# KiCad board microcyte_panel.kicad_pcb (continued)
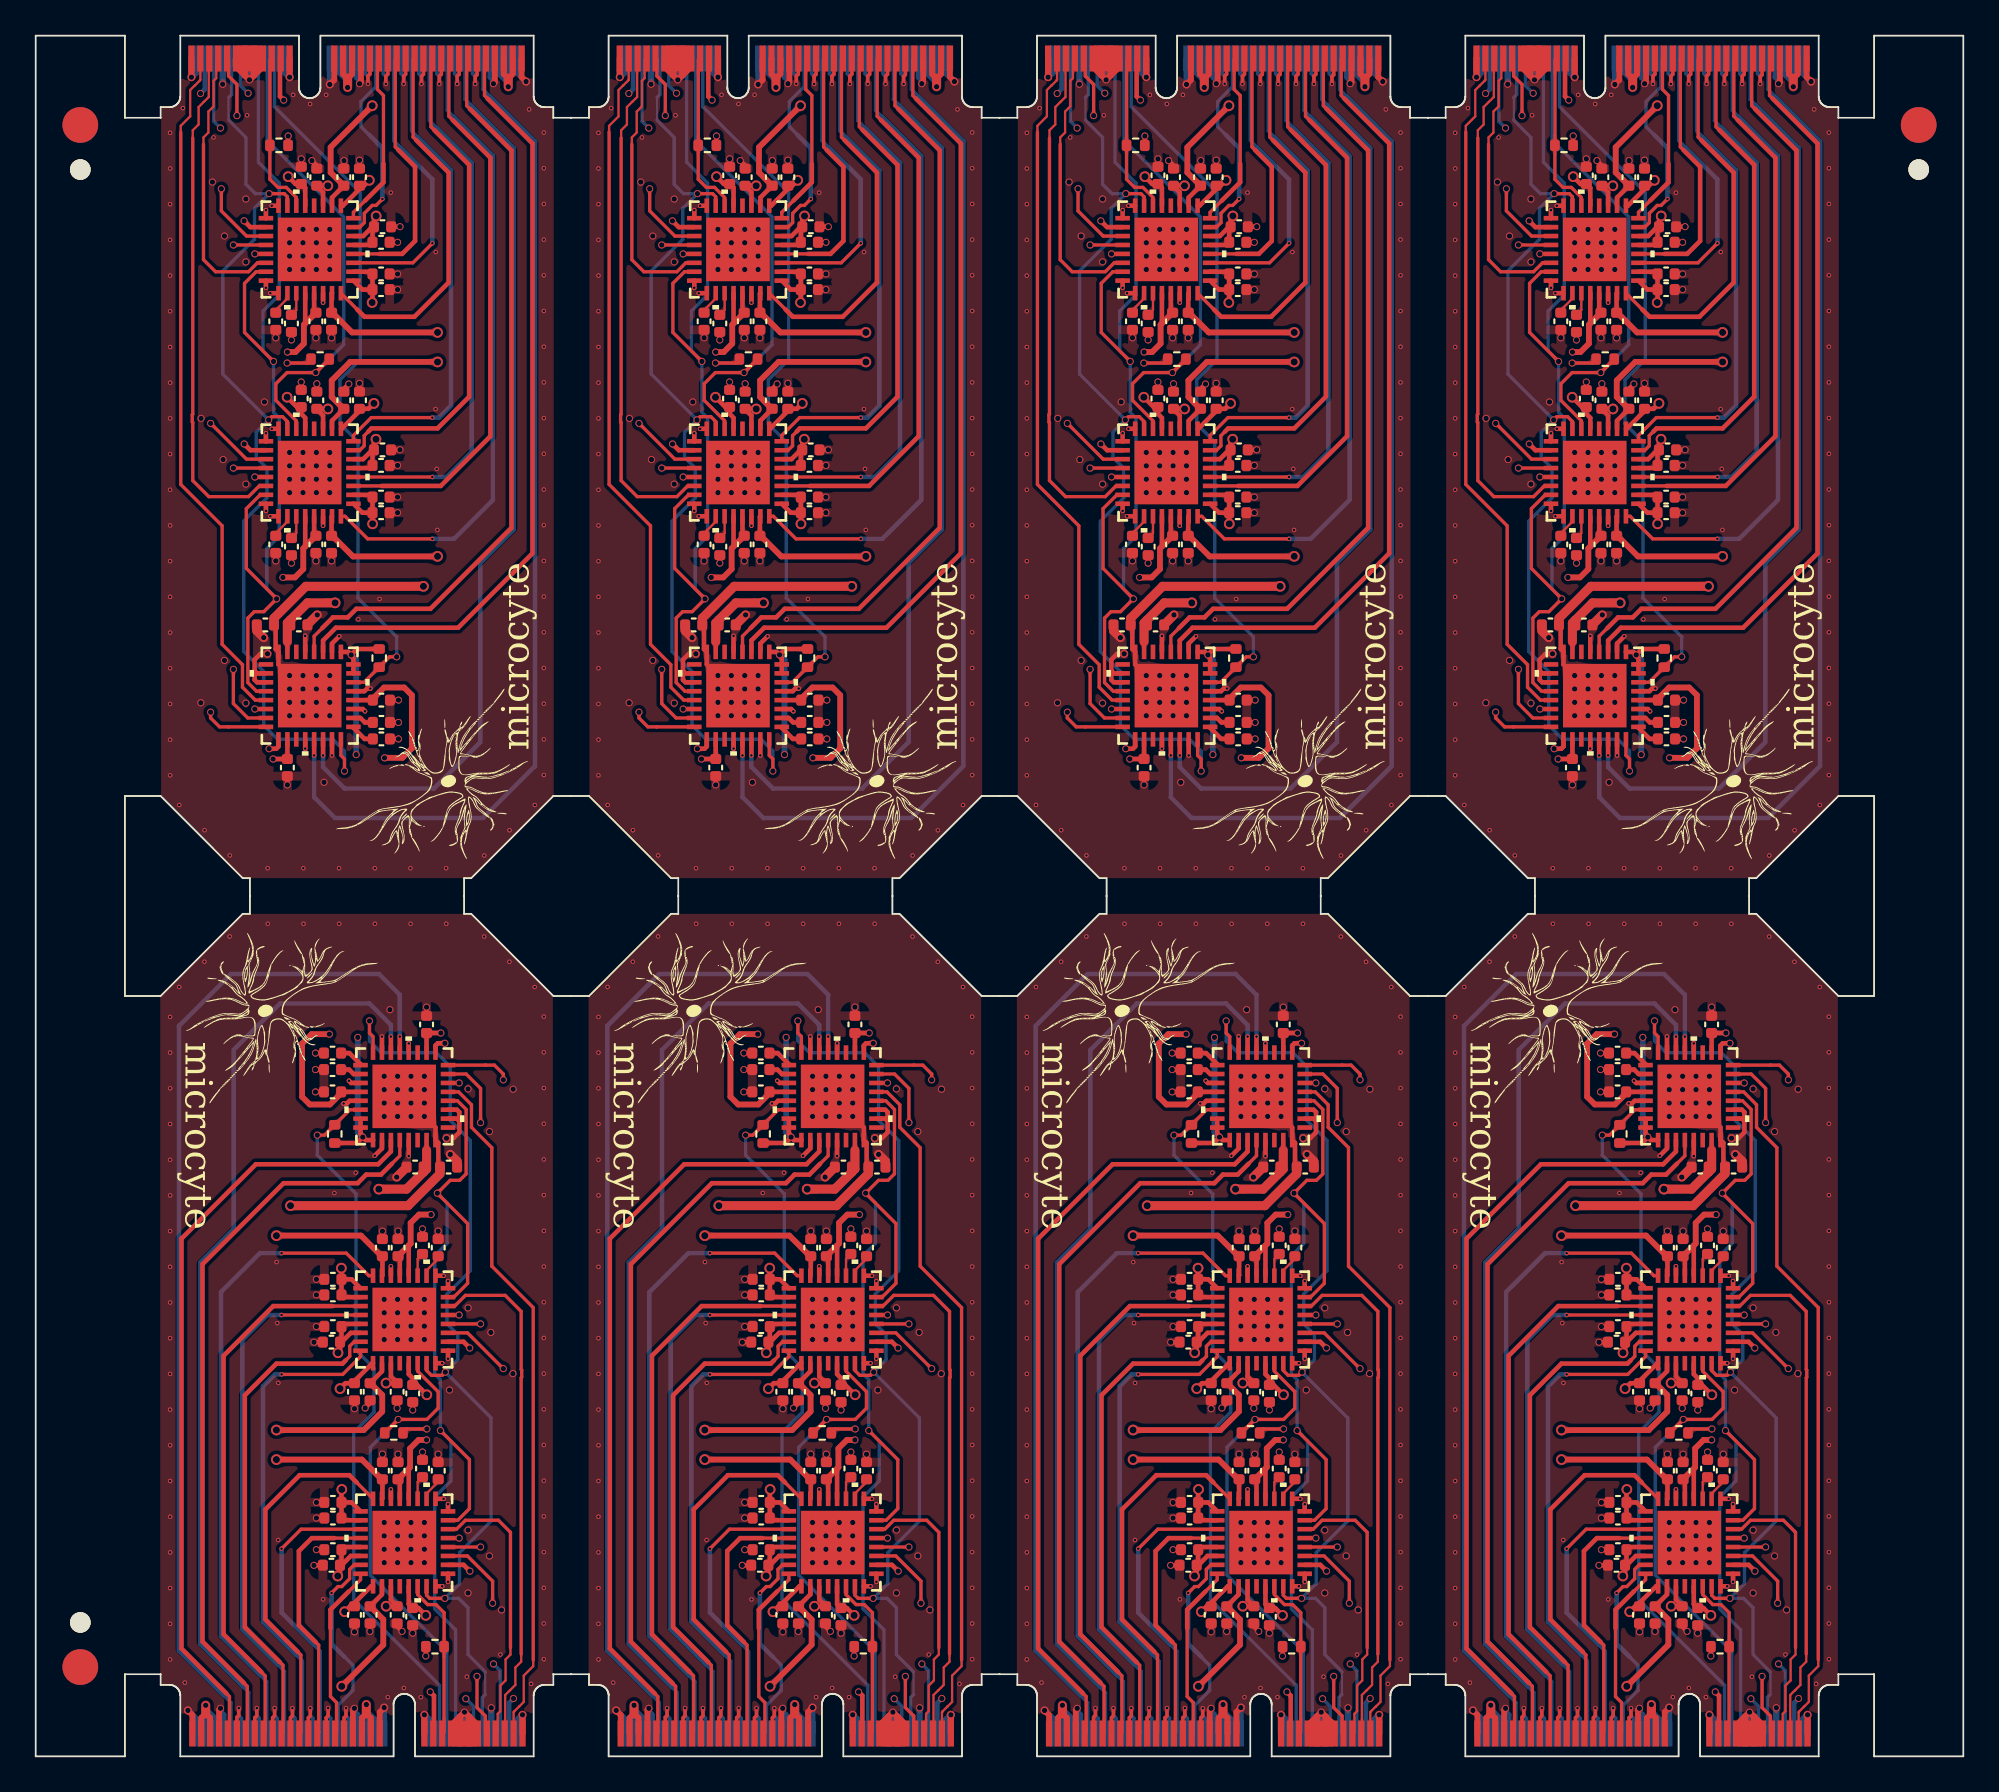
[diagram p0: board, top side]
## Routing (per net, layer and track width the routed paths; a pad name or vN(x,y) marks a point on that pad's centre or on a via; arc(x,y) is an arc through that point) (continued)
Board_4-+5V: length 46.6
  Top w0.186: 22.3,1.29 J1#2.21
  Top w0.2: v2(21.92,18.34) 20.8,18.34 R1#7.1 ; R3#3.1 21.86,5.63 v2(21.86,5.62)
  Top w0.254: U2#6.2 23.97,23.23 v2(24.32,22.88) ; U1#6.2 23.98,10.73 v2(24.33,10.38) ; v2(22.93,39.95) 22.53,39.95 22.4,39.82 U3#4.17 ; 20.29,28.02 20.4,27.91 U2#6.13 ; 22.3,1.29 22.32,1.32 22.32,3.4 v2(22.11,3.61) ; U3#4.18 C29#7.1 v2(22.7,40.53) ; 20.29,15.52 20.4,15.41 U1#6.13 ; U3#4.31 U3#4.32 18.2,34.88 18.33,34.76 v2(18.33,34.69) ; U1#6.12 20.9,16.12 ; R5#3.1 18,34.36 v2(18.33,34.69) ; 18.2,37.23 C30#5.1 17.11,37.21 ; U2#6.12 20.9,28.62 ; U1#6.29 20.9,8.53 C16#7.1 21.45,8.31 v1(21.86,7.9) ; v2(18.33,34.69) 18.49,34.52 U3#4.1 18.9,34.53 ; v1(21.91,20.26) 21.91,20.26 21.36,20.81 C26#7.1 21.12,21.19 20.9,21.41 U2#6.29
  Top w0.325: C15#8.1 20.98,16.19 20.98,17.25 21.45,17.73 v2(21.9,17.73) ; v2(22.15,30.35) 21.48,30.35 21.01,29.88 21.01,28.73 C25#6.1 ; 17.11,37.21 17.11,37.15 16.49,36.52 15.36,36.52 14.93,36.95 14.93,39.93 15.46,40.46 v2(16.46,40.46)
  Bottom w0.254: J1#2.4 26.53,3 v2(26.77,3.24)
  Bottom w0.325: v2(18.05,40.28) 18.05,34.97 v2(18.33,34.69)
Board_4-+10V: length 36.2
  Top w0.2: U3#4.7 21.9,33.95
  Top w0.254: 17.86,8.48 17.86,8.41 17.61,8.41 v1(17.31,8.1) ; 20.25,20.91 19.64,20.91 v1(19.63,20.91) ; v1(19.63,8.41) 19.64,8.41 20.25,8.41 ; 17.13,24.07 17.28,24.22 U2#6.21 ; v1(16.93,10.1) 16.98,10.1 17.05,10.17 C10.1 17.13,10.79 C9#5.1 ; v1(17.15,14.95) 17.13,14.93 C7#3.1 ; C7#3.1 17.7,14.23 U1#6.17 ; C7#3.1 C8.1 17.26,13.23 U1#6.18 ; C17#8.1 17.7,26.73 U2#6.17 ; C17#8.1 17.13,27.34 v1(17.13,27.35) ; C17#8.1 C18#3.1 17.26,25.73 U2#6.18 ; v1(17.05,20.6) 17.36,20.91 17.86,20.91 17.86,21.03 18.86,22.02 U2#6.25 ; 18.2,11.23 17.65,11.23 17.13,10.71 ; U1#6.27 19.9,8.77 20.27,8.41 ; C19#8.1 17.13,23.29 C20#6.1 17.05,22.83 16.94,22.71 v1(16.94,22.61) ; 17.14,23.21 17.66,23.72 U2#6.22 ; 20.27,20.91 19.9,21.27 U2#6.27 ; U1#6.21 17.28,11.73 ; 17.86,8.49 17.86,8.6 18.79,9.52 U1#6.25
  Top w0.325: J1#2.37 18.28,2.15 18.53,2.4 18.78,2.15 J1#2.35
  Top w0.508: v1(19.23,31.78) 20.77,31.78 21.74,32.74 ; 21.74,32.74 C27#2.1 ; 21.74,32.74 21.9,32.91 21.9,33.95 ; v2(18.53,2.9) 18.53,2.4
  In2.Cu w0.508: v2(18.53,2.9) 18.53,3.4
  Bottom w0.325: J1#2.34 19.03,2.02 18.53,2.52 v2(18.53,2.9) J1#2.36
Board_4--10V: length 51.2
  Top w0.254: 19.38,28.02 C24#7.1 ; U1#6.15 19.43,14.45 C14#4.1 19.38,15.52 ; 18.75,20.91 18.74,20.91 19.4,21.57 U2#6.26 ; C28#8.1 22.56,33.11 22.56,34.37 U3#4.8 22.4,35.23 v2(21.78,35.85) ; 19.43,28.02 19.43,26.95 U2#6.15 ; v1(13.49,29.17) 13.49,29.18 ; v1(13.49,18.28) 13.49,18.28 ; U1#6.26 19.4,9.07 18.74,8.41
  Top w0.325: 18.75,20.91 19.42,20.24 19.42,19.32 18.38,18.28 13.49,18.28 ; 13.49,29.18 18.23,29.18 19.38,28.02 ; 18.74,8.41 19.48,7.67 19.48,6.25 v1(17.15,3.92) ; v1(13.49,16.62) 18.28,16.62 19.38,15.52 ; J1#2.73 9.28,2.15 9.53,2.4 9.78,2.15 J1#2.71
  Top w0.508: C28#8.1 22.65,32.64 20.87,30.85 v1(14.28,30.85) ; v2(9.53,2.86) 9.53,2.4
  In2.Cu w0.508: v2(9.53,2.86) 9.53,3.29
  Bottom w0.325: J1#2.72 v2(9.53,2.86) 9.53,2.63 10.03,2.13 J1#2.70
  vias: v2(19.53,38.1) v2(19.53,37.35) v2(19.53,36.6) v2(19.53,35.85) v2(20.28,38.1) v2(20.28,37.35) v2(20.28,36.6) v2(20.28,35.85) v2(21.03,38.1) v2(21.03,37.35) v2(21.03,36.6) v2(21.03,35.85) v2(21.78,38.1) v2(21.78,37.35) v2(21.78,36.6)
Board_4-CLR: length 53.8
  Top w0.186: v2(22.93,8.85) 22.08,8.85 21.9,9.03 U1#6.31 ; U2#6.31 21.9,21.62 22.17,21.35 22.77,21.35 v2(22.95,21.53) ; U3#4.24 18.9,40.32 18.7,40.53 v2(18.7,41.2)
  Bottom w0.127: 25.19,3.46 25.19,4.74
  Bottom w0.186: v2(18.7,41.2) 18.7,40.08 19.36,39.42 22.45,39.42 23.23,38.64 23.23,35.62 24.35,34.5 24.35,27.21 23.05,25.9 23.05,24.23 23.65,23.63 23.65,22.22 v2(22.95,21.53) 25.52,18.96 25.52,13.18 23.75,11.41 23.75,9.67 v2(22.93,8.85) 23.7,8.85 24.23,8.33 24.23,5.7 25.19,4.74 ; J1#2.10 25.03,3.3 25.19,3.46
Board_4-FAULT1: length 9.2
  Top w0.186: U1#6.30 21.4,9.06 21.96,8.5 22.43,8.5 22.88,8.04 R3#3.2 22.88,6.14 22.88,1.38 J1#2.19
Board_4-FAULT2: length 26.6
  Top w0.186: v2(20.31,18.88) 21.92,18.88 22.55,19.5 22.55,20.43 21.4,21.57 U2#6.30
  Top w0.2: v2(20.31,18.88) R1#7.2
  Bottom w0.186: v2(20.31,18.88) 18.75,17.31 18.75,10.16 23.03,5.88 J1#2.18
Board_4-GND: length 72.1
  Top w0.127: U1#6.9 22.41,14.43 ; U2#6.9 22.41,26.93
  Top w0.2: v4(15.39,2.7) 15.39,2.27 15.28,2.16 J1#2.49 ; J1#2.53 14.28,2.16 14.39,2.27 v4(14.39,2.7) ; v4(13.39,2.7) 13.39,2.27 13.28,2.16 J1#2.57 ; 17.28,1.27 17.28,2.16 17.39,2.27 v4(17.39,2.7) ; J1#2.65 11.28,2.19 11.38,2.29 v4(11.38,2.7) ; v4(12.39,2.7) 12.39,2.27 12.28,2.16 J1#2.61 ; J1#2.45 16.28,2.16 16.39,2.27 v4(16.39,2.7)
  Top w0.254: v2(19.43,16.93) C14#4.2 ; U1#6.32 22.4,9.53 v4(22.78,9.53) ; v4(23.1,26.62) 23.1,26.23 U2#6.8 ; U2#6.32 22.4,22.03 v4(22.78,22.03) ; U3#4.2 19.4,34.06 v4(19,33.65) ; U3#4.20 v4(20.9,39.94) ; C19#8.2 v2(15.73,24.08) ; v2(17.86,6.98) C11#3.2 ; U3#4.5 v4(20.9,33.63) ; v4(19.9,14.95) U1#6.14 ; C26#7.2 v2(21.12,19.4) ; C2#7.2 v2(15.68,38.48) ; v4(19.9,27.45) U2#6.14 ; 23.74,35.58 23.59,35.73 U3#4.10 ; 23.74,35.58 23.74,34.96 23.41,34.63 v3(23.02,34.63) ; 23.74,35.58 23.74,36.09 23.6,36.22 U3#4.11 ; C6#3.2 v2(21.67,29.55) ; v4(22.85,14.43) U1#6.9 ; U2#6.1 23.1,22.72 v4(23.1,22.28) ; U1#6.8 23.1,13.73 v4(23.1,14.12) ; C17#8.2 v2(15.73,26.72) ; U3#4.23 v4(19.4,40.33) ; C12#3.2 20.25,7.27 v2(20.53,7) ; U3#4.27 17.68,37.73 v4(17.55,37.85) ; 18.74,7.01 C13#5.2 ; C1#5.2 v2(15.68,39.4) ; C5#4.2 v2(22.55,29.43) ; U1#6.1 23.1,10.22 v4(23.1,9.78) ; C27#2.2 20.78,33 ; C29#7.2 v2(21.9,41.98) ; C8.2 v2(15.73,13.35) ; 16.17,23.2 v2(15.59,23.2) ; C15#8.2 v2(20.3,16.93) ; v4(22.85,26.93) U2#6.9 ; v2(18.46,19.51) 18.74,19.79 C23#4.2 ; C4.2 v2(21.67,17.05) ; C18#3.2 v2(15.73,25.85) ; C3#4.2 v2(22.55,16.93) ; C30#5.2 v2(15.68,37.23) ; 19.43,28.98 v2(19.43,29.43) ; C9#5.2 v2(15.73,11.57) ; C7#3.2 v2(15.73,14.22) ; C22#6.2 v2(20.25,19.5) ; 18.2,36.73 17.59,36.73 17.44,36.58 v4(17.25,36.58) ; 16.17,10.7 v2(15.59,10.7) ; C25#6.2 v2(20.3,29.43) ; v2(17.86,19.48) C21#8.2 ; C16#7.2 v2(21.12,6.9)
  Top w0.325: v2(17.86,2.69) 17.78,2.61 J1#2.39 ; 8.78,1.28 8.78,2.32 v3(8.53,2.57) ; v3(19.52,2.73) 19.52,2.73 19.27,2.48 19.27,1.27 ; J1#2.69 10.28,2.61 v2(10.36,2.69)
  Top w0.35: 23.78,2.23 23.28,1.73 J1#2.17 ; 23.78,2.23 v2(24.03,2.48) 24.28,2.23 ; 23.78,2.23 J1#2.15 ; J1#2.23 v3(21.78,2.33) ; 24.28,2.23 J1#2.13 ; 24.28,2.23 24.78,1.73 J1#2.11 ; J1#2.1 v3(27.28,2.33)
  Top w0.508: v2(23.23,33.73) 23.61,33.34 C28#8.2 ; 20.78,33 v3(20.23,32.45)
  Bottom w0.186: v3(8.53,2.57) 8.54,2.57
  Bottom w0.2: v4(13.39,2.7) 13.39,2.27 13.53,2.13 J1#2.56 ; J1#2.60 12.53,2.13 12.39,2.27 v4(12.39,2.7) ; J1#2.52 14.53,2.13 14.39,2.27 v4(14.39,2.7) ; J1#2.44 16.53,2.13 16.39,2.27 v4(16.39,2.7) ; 17.53,1.27 17.53,2.12 17.39,2.27 v4(17.39,2.7) ; J1#2.48 15.53,2.13 15.39,2.27 v4(15.39,2.7) ; v4(11.38,2.7) 11.38,2.27 11.53,2.12 J1#2.64
  Bottom w0.325: v2(10.36,2.69) 10.36,2.49 10.53,2.32 J1#2.68 ; J1#2.38 18.03,2.32 17.86,2.49 v2(17.86,2.69) ; 8.54,2.57 9.03,2.08 9.03,1.28 ; 19.52,1.27 v3(19.52,2.73)
  Bottom w0.35: v3(27.28,2.33) 27.03,2.08 J1#2.2 ; J1#2.8 v2(25.53,2.72) ; v3(21.78,2.33) 22.03,2.08 J1#2.22 ; v2(24.03,2.48) J1#2.14
  vias: v2(18.73,7) v2(19.53,25.6) v2(19.53,24.85) v2(19.53,24.1) v2(19.53,23.35) v2(19.53,13.1) v2(19.53,12.35) v2(19.53,11.6) v2(19.53,10.85) v2(19.85,41.83) v2(20.28,25.6) v2(20.28,24.85) v2(20.28,24.1) v2(20.28,23.35) v2(20.28,13.1) v2(20.28,12.35) v2(20.28,11.6) v2(20.28,10.85) v2(21.03,25.6) v2(21.03,24.85) v2(21.03,24.1) v2(21.03,23.35) v2(21.03,13.1) v2(21.03,12.35) v2(21.03,11.6) v2(21.03,10.85) v2(21.78,25.6) v2(21.78,24.85) v2(21.78,24.1) v2(21.78,23.35) v2(21.78,13.1) v2(21.78,12.35) v2(21.78,11.6) v2(21.78,10.85) v2(23.19,20.52) v2(24.23,37.39) v2(24.23,25.12) v2(24.23,12.68) v2(24.23,9.15) v2(25.43,35) v2(25.43,11.23) v2(25.5,23.75) v2(26.1,8.2) v2(26.75,37.38) v2(26.74,21.44) v4(7.53,41.43) v4(7.53,39.43) v4(7.53,37.43) v4(7.53,35.43) v4(7.53,33.43) v4(7.53,31.43) v4(7.53,29.43) v4(7.53,27.43) v4(7.53,25.43) v4(7.53,23.43) v4(7.53,21.43) v4(7.53,19.43) v4(7.53,17.43) v4(7.53,15.43) v4(7.53,13.43) v4(7.53,11.43) v4(7.53,9.43) v4(7.53,7.43) v4(7.53,5.43) v4(8.04,43.1) v4(8.36,4.13) v4(9.45,44.52) v4(10.87,45.93) v4(13,46.65) v4(13.5,27.69) v4(13.54,24.27) v4(13.6,20.92) v4(13.59,12.12) v4(15,46.65) v4(16.11,8.79) v4(16.74,31.56) v4(17,46.65) v4(17.93,32.7) v4(19,46.65) v4(19.73,3.31) v4(20.63,3.83) v4(21,46.65) v4(21.58,3.31) v4(23,46.65) v4(24.16,4.46) v4(25.13,45.93) v4(26.04,5.7) v4(26.54,44.51) v4(27.76,4.06) v4(27.96,43.1) v4(28.47,41.44) v4(28.47,39.44) v4(28.47,37.44) v4(28.47,35.44) v4(28.47,33.44) v4(28.47,31.44) v4(28.47,29.44) v4(28.47,27.44) v4(28.47,25.44) v4(28.47,23.44) v4(28.47,21.44) v4(28.47,19.44) v4(28.47,17.44) v4(28.47,15.44) v4(28.47,13.44) v4(28.47,11.44) v4(28.47,9.44) v4(28.47,7.44) v4(28.47,5.44)
Board_4-I0: length 9.8
  Top w0.186: U1#6.24 18.2,9.9 17.55,9.24 ; 16.52,7.19 16.52,3.35 16.86,3.01 16.86,1.36 J1#2.43
  Top w0.254: 17.55,9.24 16.52,8.21 16.52,7.19
Board_4-I1: length 11.3
  Top w0.186: U1#6.23 17.84,10.73 17.59,10.47 17.59,9.95 17.15,9.51 16.94,9.51 v4(16.58,9.15)
  Bottom w0.186: J1#2.42 16.95,1.36 16.95,2.86 17.78,3.69 17.78,5.1 17.32,5.56
  Bottom w0.254: v4(16.58,9.15) 16.58,6.3 17.32,5.56
Board_4-I2: length 14.5
  Top w0.186: J1#2.47 15.86,1.36 15.86,6.23 15.68,6.41 ; U1#6.20 16.73,12.22
  Top w0.254: 16.73,12.22 15.47,12.22 14.75,11.5 14.75,7.34 15.68,6.41
Board_4-I3: length 16.2
  Top w0.186: U1#6.19 14.87,12.73 v4(13.78,11.63)
  Bottom w0.186: J1#2.46 15.95,1.36 15.95,5.88 15.57,6.26
  Bottom w0.254: v4(13.78,11.63) 13.78,8.05 15.57,6.26
Board_4-I4: length 20.8
  Top w0.186: 17.98,15.35 U1#6.16 ; 14.68,5.86 14.86,5.68 14.86,1.36 J1#2.51
  Top w0.254: 14.68,5.86 12.87,7.67 12.87,13.83 14.79,15.75 17.58,15.75 17.98,15.35
Board_4-I5: length 26.9
  Top w0.186: U2#6.24 18.2,22.4 17.2,21.4 v4(13.78,21.4)
  Bottom w0.186: 14.59,5.69 14.95,5.33 14.95,1.36 J1#2.50
  Bottom w0.254: 14.59,5.69 12.74,7.54 12.74,20.73 13.4,21.4 v4(13.78,21.4)
Board_4-I6: length 27.9
  Top w0.186: U2#6.23 17.84,23.23 17.6,22.98 17.6,22.41 17.36,22.18 ; 13.68,5.28 13.86,5.1 13.86,1.36 J1#2.55
  Top w0.254: 17.36,22.18 17.19,22 13.49,22 11.72,20.23 11.72,7.24 13.68,5.28
Board_4-I7: length 30.3
  Top w0.186: v4(13.78,24.72) U2#6.20
  Bottom w0.186: 13.57,5.13 13.95,4.75 13.95,1.36 J1#2.54
  Bottom w0.254: 13.57,5.13 11.58,7.12 11.58,23.32 12.98,24.72 v4(13.78,24.72)
Board_4-I8: length 31
  Top w0.186: J1#2.59 12.86,1.36 12.86,4.51 12.64,4.73 ; U2#6.19 16.62,25.23
  Top w0.254: 12.64,4.73 10.53,6.84 10.53,22.44 13.31,25.23 16.62,25.23
Board_4-I9: length 35.8
  Top w0.186: v4(13.78,28.19) 17.4,28.19 18.67,26.93 U2#6.16
  Bottom w0.186: 12.61,4.52 12.95,4.18 12.95,1.36 J1#2.58
  Bottom w0.254: 12.61,4.52 10.39,6.74 10.39,26.01 12.57,28.19 v4(13.78,28.19)
Board_4-LDAC: length 52.6
  Top w0.186: U2#6.7 23.43,25.73 24.2,26.5 24.2,29.84 22.5,31.55 v2(22.5,31.55) 23.22,32.27 23.76,32.27 24.12,32.63 24.12,36.24 23.63,36.73 U3#4.12 ; U1#6.7 23.65,13.23 24.3,13.88 24.3,16.62 v2(22.68,18.25)
  Bottom w0.186: J1#2.16 23.53,7.09 22.36,8.26 22.36,14.52 23.26,15.43 23.26,17.66 v2(22.68,18.25) 22.68,21.1 22.36,21.42 22.36,28.05 23.05,28.74 23.05,31 v2(22.5,31.55)
Board_4-MISO: length 42.3
  Top w0.186: J1#2.9 25.2,1.36 25.2,2.26 24.73,2.73 v2(24.73,4.48) ; U3#4.15 24.12,38.23 24.93,37.42 v2(24.93,35.5) ; v2(24.93,24.23) U2#6.4 ; v2(24.93,11.73) U1#6.4
  In3.Cu w0.186: v2(24.73,4.48) 24.73,9.25 24.93,9.45 v2(24.93,11.73) v2(24.93,24.23) v2(24.93,35.5)
Board_4-MOSI: length 48.9
  Top w0.186: v2(25.6,8.58) 25.6,9.82 24.19,11.22 U1#6.3 ; U3#4.16 25.7,38.73 26.2,38.23 v2(26.2,37.9) ; U2#6.3 24.19,23.72 26.2,21.72 v2(26.2,21.72)
  In3.Cu w0.186: v2(25.65,5.18) 25.61,5.22 25.61,8.57 v2(25.6,8.58) 26.2,9.18 v2(26.2,21.72) v2(26.2,37.9)
  Bottom w0.186: v2(25.65,5.18) 26.03,4.8 J1#2.6
Board_4-Net-(U1-REF): length 1.4
  Top w0.127: C3#4.1 22.55,15.38 21.9,14.73 U1#6.10
Board_4-Net-(U1-REFCOMP): length 1.3
  Top w0.127: C4.1 21.4,15.37 U1#6.11
Board_4-Net-(U2-REF): length 1.4
  Top w0.127: C5#4.1 22.55,27.88 21.9,27.23 U2#6.10
Board_4-Net-(U2-REFCOMP): length 1.3
  Top w0.127: U2#6.11 21.4,27.87 C6#3.1
Board_4-Net-(U3-REF): length 1.4
  Top w0.254: U3#4.25 18.2,38.78 17.58,39.4 C1#5.1
Board_4-Net-(U3-REFCOMP): length 1.2
  Top w0.254: C2#7.1 17.56,38.48 17.81,38.23 U3#4.26
Board_4-SCLK: length 38.7
  Top w0.186: U1#6.5 v2(23.73,12.23) ; v2(23.73,37.73) U3#4.14 ; v2(23.73,24.73) 23.1,24.73
  In3.Cu w0.186: v2(24.1,3.23) 23.73,3.6 v2(23.73,12.23) v2(23.73,24.73) v2(23.73,37.73)
  Bottom w0.186: v2(24.1,3.23) 24.53,2.8 J1#2.12
Board_4-SS1: length 15.7
  Top w0.127: J1#2.7 25.89,1.39 25.89,2.38 26.04,2.53 26.04,3.96 26.33,4.25 26.33,5.43 26.6,5.7 26.6,6.09
  Top w0.186: U1#6.6 23.58,12.73 24.08,13.23 25.93,13.23 26.6,12.55 26.6,6.09 ; 25.85,1.35 J1#2.7
Board_4-SS2: length 28.8
  Top w0.127: J1#2.5 26.3,1.3 26.3,3.43 26.58,3.7 26.58,3.7 26.88,4 26.88,4.98 27.2,5.3 27.2,5.74
  Top w0.186: U2#6.6 23.48,25.23 24.08,25.83 26.3,25.83 27.2,24.93 27.2,21.67 27.23,21.64 27.23,21.24 27.2,21.21 27.2,5.74
Board_4-SS3: length 38.7
  Top w0.127: J1#2.3 26.78,2.48 26.81,2.51 26.81,2.52 27.08,2.79 27.09,2.79 27.35,3.05 27.35,4.52 27.88,5.05 27.88,5.41
  Top w0.186: U3#4.13 23.69,37.23 24.42,36.5 24.42,35.24 25.56,34.1 25.56,27.46 27.88,25.14 27.88,5.41
Board_4-TEMP: length 40.4
  Top w0.186: U3#4.30 17.6,36.23 R5#3.2 16.18,34.8 v2(15.78,34.8)
  Bottom w0.127: 22.63,1.38 J1#2.20
  Bottom w0.186: v2(15.78,34.8) 15.78,33.68 17.95,31.51 17.95,22.76 18.95,21.75 18.95,19.28 17.82,18.14 17.82,8.79 22.63,3.98 22.63,1.38
Board_4-Vb0: length 43.3
  Top w0.186: 10.68,3.53 10.86,3.35 10.86,1.36 J1#2.67
  Top w0.254: U3#4.3 19.9,33.88 19.19,33.17 12.34,33.17 8.17,29 8.17,6.04 10.68,3.53
Board_4-Vb1: length 41.8
  Top w0.186: J1#2.63 11.86,1.36 11.86,3.92 11.67,4.11 ; U3#4.4 20.4,33.65 19.95,33.19
  Top w0.254: 19.95,33.19 19.35,32.59 18.52,32.59 18.04,32.11 13.89,32.11 9.35,27.57 9.35,6.43 11.67,4.11
Board_4-Vb2: length 58.2
  Top w0.254: U3#4.21 v4(20.4,40.33)
  Bottom w0.186: J1#2.66 10.95,1.36 10.95,3 10.55,3.4
  Bottom w0.254: v4(20.4,40.33) 20.4,42.66 19.24,43.83 10.94,43.83 8.03,40.92 8.03,5.92 10.55,3.4
Board_4-Vb3: length 52.2
  Top w0.254: U3#4.22 v4(19.9,40.33)
  Bottom w0.127: v4(19.9,40.33) 19.9,40.28
  Bottom w0.186: J1#2.62 11.95,1.36 11.95,3.57 11.63,3.89
  Bottom w0.254: 11.63,3.89 9.23,6.29 9.23,27.67 11.1,29.54 11.1,39.58 13.7,42.18 18.7,42.18 19.9,40.97 v4(19.9,40.33)
Board_5-+5V: length 46.6
  Top w0.186: 46.3,1.29 J1#5.21
  Top w0.2: R1#3.1 44.8,18.34 v2(45.92,18.34) ; R3#5.1 45.86,5.63 v2(45.86,5.62)
  Top w0.254: 44.29,15.52 44.4,15.41 U1.13 ; 44.29,28.02 44.4,27.91 U2#3.13 ; 46.3,1.29 46.32,1.32 46.32,3.4 v2(46.11,3.61) ; v2(46.93,39.95) 46.53,39.95 46.4,39.82 U3#3.17 ; U2#3.29 44.9,21.41 45.12,21.19 C26.1 45.36,20.81 45.91,20.26 v1(45.91,20.26) ; v2(42.33,34.69) 42.49,34.52 U3#3.1 42.9,34.53 ; v2(42.33,34.69) 42,34.36 R5#8.1 ; v2(42.33,34.69) 42.33,34.76 42.2,34.88 U3#3.32 U3#3.31 ; U2#3.12 44.9,28.62 ; v2(46.7,40.53) C29#6.1 U3#3.18 ; v2(48.33,10.38) 47.98,10.73 U1.2 ; U2#3.2 47.97,23.23 v2(48.32,22.88) ; v1(45.86,7.9) 45.45,8.31 C16#5.1 44.9,8.53 U1.29 ; 41.11,37.21 C30#2.1 42.2,37.23 ; U1.12 44.9,16.12
  Top w0.325: C25#4.1 45.01,28.73 45.01,29.88 45.48,30.35 v2(46.15,30.35) ; v2(45.9,17.73) 45.45,17.73 44.98,17.25 44.98,16.19 C15#3.1 ; 41.11,37.21 41.11,37.15 40.49,36.52 39.36,36.52 38.93,36.95 38.93,39.93 39.46,40.46 v2(40.46,40.46)
  Bottom w0.254: J1#5.4 50.53,3 v2(50.77,3.24)
  Bottom w0.325: v2(42.05,40.28) 42.05,34.97 v2(42.33,34.69)
Board_5-+10V: length 36.2
  Top w0.2: U3#3.7 45.9,33.95
  Top w0.254: U1.25 42.79,9.52 41.86,8.6 41.86,8.49 ; 44.25,8.41 43.64,8.41 v1(43.63,8.41) ; U2#3.25 42.86,22.02 41.86,21.03 41.86,20.98 41.86,20.91 41.36,20.91 v1(41.05,20.6) ; U1.18 41.26,13.23 C8#2.1 C7#5.1 ; C7#5.1 41.13,14.93 v1(41.15,14.95) ; C7#5.1 41.7,14.23 U1.17 ; U2#3.17 41.7,26.73 C17#6.1 ; 44.27,20.91 43.9,21.27 U2#3.27 ; 41.86,8.48 41.86,8.41 41.61,8.41 v1(41.31,8.1) ; U1.27 43.9,8.77 44.27,8.41 ; 41.13,10.71 41.65,11.23 42.2,11.23 ; 41.14,23.21 41.66,23.72 U2#3.22 ; 44.25,20.91 43.64,20.91 v1(43.63,20.91) ; C17#6.1 C18.1 41.26,25.73 U2#3.18 ; C17#6.1 41.13,27.34 v1(41.13,27.35) ; C9#7.1 41.13,10.79 C10#5.1 41.05,10.17 40.98,10.1 v1(40.93,10.1) ; 41.13,24.07 41.28,24.22 U2#3.21 ; U1.21 41.28,11.73 ; v1(40.94,22.61) 40.94,22.71 41.05,22.83 C20#7.1 41.13,23.29 C19#6.1
  Top w0.325: J1#5.35 42.78,2.15 42.53,2.4 42.28,2.15 J1#5.37
  Top w0.508: v2(42.53,2.9) 42.53,2.4 ; 45.74,32.74 45.9,32.91 45.9,33.95 ; 45.74,32.74 44.77,31.78 v1(43.23,31.78) ; 45.74,32.74 C27#8.1
  In2.Cu w0.508: v2(42.53,2.9) 42.53,3.4
  Bottom w0.325: J1#5.36 v2(42.53,2.9) 42.53,2.52 43.03,2.02 J1#5.34
Board_5--10V: length 51.2
  Top w0.254: 42.75,20.91 42.74,20.91 43.4,21.57 U2#3.26 ; 43.43,28.02 43.43,26.95 U2#3.15 ; v1(37.49,29.17) 37.49,29.18 ; v1(37.49,18.28) 37.49,18.28 ; v2(45.78,35.85) 46.4,35.23 U3#3.8 46.56,34.37 46.56,33.11 C28.1 ; 42.74,8.41 43.4,9.07 U1.26 ; 43.38,28.02 C24.1 ; 43.38,15.52 C14#7.1 43.43,14.45 U1.15
  Top w0.325: v1(37.49,16.62) 42.28,16.62 43.38,15.52 ; v1(41.15,3.92) 43.48,6.25 43.48,7.67 42.74,8.41 ; J1#5.73 33.28,2.15 33.53,2.4 33.78,2.15 J1#5.71 ; 37.49,18.28 42.38,18.28 43.42,19.32 43.42,20.24 42.75,20.91 ; 37.49,29.18 42.23,29.18 43.38,28.02
  Top w0.508: v2(33.53,2.86) 33.53,2.4 ; C28.1 46.65,32.64 44.87,30.85 v1(38.28,30.85)
  In2.Cu w0.508: v2(33.53,2.86) 33.53,3.29
  Bottom w0.325: J1#5.72 v2(33.53,2.86) 33.53,2.63 34.03,2.13 J1#5.70
  vias: v2(43.53,38.1) v2(43.53,37.35) v2(43.53,36.6) v2(43.53,35.85) v2(44.28,38.1) v2(44.28,37.35) v2(44.28,36.6) v2(44.28,35.85) v2(45.03,38.1) v2(45.03,37.35) v2(45.03,36.6) v2(45.03,35.85) v2(45.78,38.1) v2(45.78,37.35) v2(45.78,36.6)
Board_5-CLR: length 53.8
  Top w0.186: U3#3.24 42.9,40.32 42.7,40.53 v2(42.7,41.2) ; U2#3.31 45.9,21.62 46.17,21.35 46.77,21.35 v2(46.95,21.53) ; v2(46.93,8.85) 46.08,8.85 45.9,9.03 U1.31
  Bottom w0.127: 49.19,3.46 49.19,4.74
  Bottom w0.186: J1#5.10 49.03,3.3 49.19,3.46 ; v2(42.7,41.2) 42.7,40.08 43.36,39.42 46.45,39.42 47.23,38.64 47.23,35.62 48.35,34.5 48.35,27.21 47.05,25.9 47.05,24.23 47.65,23.63 47.65,22.22 v2(46.95,21.53) 49.52,18.96 49.52,13.18 47.75,11.41 47.75,9.67 v2(46.93,8.85) 47.7,8.85 48.23,8.33 48.23,5.7 49.19,4.74
Board_5-FAULT1: length 9.2
  Top w0.186: J1#5.19 46.88,1.38 46.88,6.14 R3#5.2 46.88,8.04 46.43,8.5 45.96,8.5 45.4,9.06 U1.30
Board_5-FAULT2: length 26.6
  Top w0.186: v2(44.31,18.88) 45.92,18.88 46.55,19.5 46.55,20.43 45.4,21.57 U2#3.30
  Top w0.2: v2(44.31,18.88) R1#3.2
  Bottom w0.186: J1#5.18 47.03,5.88 42.75,10.16 42.75,17.31 v2(44.31,18.88)
Board_5-GND: length 72.1
  Top w0.127: U2#3.9 46.41,26.93 ; U1.9 46.41,14.43
  Top w0.2: J1#5.49 39.28,2.16 39.39,2.27 v4(39.39,2.7) ; J1#5.61 36.28,2.16 36.39,2.27 v4(36.39,2.7) ; v4(41.39,2.7) 41.39,2.27 41.28,2.16 41.28,1.27 ; J1#5.53 38.28,2.16 38.39,2.27 v4(38.39,2.7) ; J1#5.45 40.28,2.16 40.39,2.27 v4(40.39,2.7) ; v4(35.38,2.7) 35.38,2.29 35.28,2.19 J1#5.65 ; J1#5.57 37.28,2.16 37.39,2.27 v4(37.39,2.7)
  Top w0.254: v4(46.78,9.53) 46.4,9.53 U1.32 ; U3#3.23 v4(43.4,40.33) ; C9#7.2 v2(39.73,11.57) ; C1#3.2 v2(39.68,39.4) ; U3#3.20 v4(44.9,39.94) ; v2(44.53,7) 44.25,7.27 C12#2.2 ; C25#4.2 v2(44.3,29.43) ; C18.2 v2(39.73,25.85) ; U1.8 47.1,13.73 v4(47.1,14.12) ; U2#3.8 47.1,26.23 v4(47.1,26.62) ; 42.74,7.01 C13#7.2 ; 47.74,35.58 47.74,36.09 47.6,36.22 U3#3.11 ; 47.74,35.58 47.74,34.96 47.41,34.63 v3(47.02,34.63) ; 47.74,35.58 47.59,35.73 U3#3.10 ; C26.2 v2(45.12,19.4) ; v4(46.85,14.43) U1.9 ; C19#6.2 v2(39.73,24.08) ; C22#8.2 v2(44.25,19.5) ; C6#5.2 v2(45.67,29.55) ; v2(42.46,19.51) 42.74,19.79 C23#7.2 ; C15#3.2 v2(44.3,16.93) ; v4(43,33.65) 43.4,34.06 U3#3.2 ; U2#3.32 46.4,22.03 v4(46.78,22.03) ; C2#5.2 v2(39.68,38.48) ; v4(41.55,37.85) 41.68,37.73 U3#3.27 ; C8#2.2 v2(39.73,13.35) ; 40.17,10.7 v2(39.59,10.7) ; v4(46.85,26.93) U2#3.9 ; C3#2.2 v2(46.55,16.93) ; v4(47.1,22.28) 47.1,22.72 U2#3.1 ; C7#5.2 v2(39.73,14.22) ; 43.43,28.98 v2(43.43,29.43) ; C5#7.2 v2(46.55,29.43) ; C29#6.2 v2(45.9,41.98) ; C4#8.2 v2(45.67,17.05) ; v4(43.9,14.95) U1.14 ; 42.2,36.73 41.59,36.73 41.44,36.58 v4(41.25,36.58) ; v2(43.43,16.93) C14#7.2 ; v4(47.1,9.78) 47.1,10.22 U1.1 ; v2(41.86,6.98) C11#6.2 ; U3#3.5 v4(44.9,33.63) ; v2(41.86,19.48) C21#3.2 ; C17#6.2 v2(39.73,26.72) ; v4(43.9,27.45) U2#3.14 ; C30#2.2 v2(39.68,37.23) ; C16#5.2 v2(45.12,6.9) ; C27#8.2 44.78,33 ; 40.17,23.2 v2(39.59,23.2)
  Top w0.325: v3(32.53,2.57) 32.78,2.32 32.78,1.28 ; v2(34.36,2.69) 34.28,2.61 J1#5.69 ; J1#5.39 41.78,2.61 v2(41.86,2.69) ; 43.27,1.27 43.27,2.48 43.52,2.73 v3(43.52,2.73)
  Top w0.35: J1#5.17 47.28,1.73 47.78,2.23 ; J1#5.11 48.78,1.73 48.28,2.23 ; J1#5.1 v3(51.28,2.33) ; 48.28,2.23 J1#5.13 ; 48.28,2.23 v2(48.03,2.48) 47.78,2.23 ; 47.78,2.23 J1#5.15 ; J1#5.23 v3(45.78,2.33)
  Top w0.508: 44.78,33 v3(44.23,32.45) ; v2(47.23,33.73) 47.61,33.34 C28.2
  Bottom w0.186: v3(32.53,2.57) 32.54,2.57
  Bottom w0.2: v4(40.39,2.7) 40.39,2.27 40.53,2.13 J1#5.44 ; J1#5.64 35.53,2.12 35.38,2.27 v4(35.38,2.7) ; v4(38.39,2.7) 38.39,2.27 38.53,2.13 J1#5.52 ; J1#5.56 37.53,2.13 37.39,2.27 v4(37.39,2.7) ; 41.53,1.27 41.53,2.12 41.39,2.27 v4(41.39,2.7) ; v4(36.39,2.7) 36.39,2.27 36.53,2.13 J1#5.60 ; v4(39.39,2.7) 39.39,2.27 39.53,2.13 J1#5.48
  Bottom w0.325: v2(41.86,2.69) 41.86,2.49 42.03,2.32 J1#5.38 ; 43.52,1.27 v3(43.52,2.73) ; J1#5.68 34.53,2.32 34.36,2.49 v2(34.36,2.69) ; 32.54,2.57 33.03,2.08 33.03,1.28
  Bottom w0.35: J1#5.22 46.03,2.08 v3(45.78,2.33) ; v3(51.28,2.33) 51.03,2.08 J1#5.2 ; J1#5.8 v2(49.53,2.72) ; v2(48.03,2.48) J1#5.14
  vias: v2(42.73,7) v2(43.53,25.6) v2(43.53,24.85) v2(43.53,24.1) v2(43.53,23.35) v2(43.53,13.1) v2(43.53,12.35) v2(43.53,11.6) v2(43.53,10.85) v2(43.85,41.83) v2(44.28,25.6) v2(44.28,24.85) v2(44.28,24.1) v2(44.28,23.35) v2(44.28,13.1) v2(44.28,12.35) v2(44.28,11.6) v2(44.28,10.85) v2(45.03,25.6) v2(45.03,24.85) v2(45.03,24.1) v2(45.03,23.35) v2(45.03,13.1) v2(45.03,12.35) v2(45.03,11.6) v2(45.03,10.85) v2(45.78,25.6) v2(45.78,24.85) v2(45.78,24.1) v2(45.78,23.35) v2(45.78,13.1) v2(45.78,12.35) v2(45.78,11.6) v2(45.78,10.85) v2(47.19,20.52) v2(48.23,37.39) v2(48.23,25.12) v2(48.23,12.68) v2(48.23,9.15) v2(49.43,35) v2(49.43,11.23) v2(49.5,23.75) v2(50.1,8.2) v2(50.75,37.38) v2(50.74,21.44) v4(31.53,41.43) v4(31.53,39.43) v4(31.53,37.43) v4(31.53,35.43) v4(31.53,33.43) v4(31.53,31.43) v4(31.53,29.43) v4(31.53,27.43) v4(31.53,25.43) v4(31.53,23.43) v4(31.53,21.43) v4(31.53,19.43) v4(31.53,17.43) v4(31.53,15.43) v4(31.53,13.43) v4(31.53,11.43) v4(31.53,9.43) v4(31.53,7.43) v4(31.53,5.43) v4(32.04,43.1) v4(32.36,4.13) v4(33.45,44.52) v4(34.87,45.93) v4(37,46.65) v4(37.5,27.69) v4(37.54,24.27) v4(37.6,20.92) v4(37.59,12.12) v4(39,46.65) v4(40.11,8.79) v4(40.74,31.56) v4(41,46.65) v4(41.93,32.7) v4(43,46.65) v4(43.73,3.31) v4(44.63,3.83) v4(45,46.65) v4(45.58,3.31) v4(47,46.65) v4(48.16,4.46) v4(49.13,45.93) v4(50.04,5.7) v4(50.54,44.51) v4(51.76,4.06) v4(51.96,43.1) v4(52.47,41.44) v4(52.47,39.44) v4(52.47,37.44) v4(52.47,35.44) v4(52.47,33.44) v4(52.47,31.44) v4(52.47,29.44) v4(52.47,27.44) v4(52.47,25.44) v4(52.47,23.44) v4(52.47,21.44) v4(52.47,19.44) v4(52.47,17.44) v4(52.47,15.44) v4(52.47,13.44) v4(52.47,11.44) v4(52.47,9.44) v4(52.47,7.44) v4(52.47,5.44)
Board_5-I0: length 9.8
  Top w0.186: J1#5.43 40.86,1.36 40.86,3.01 40.52,3.35 40.52,7.19 ; 41.55,9.24 42.2,9.9 U1.24
  Top w0.254: 40.52,7.19 40.52,8.21 41.55,9.24
Board_5-I1: length 11.3
  Top w0.186: U1.23 41.84,10.73 41.59,10.47 41.59,9.95 41.15,9.51 40.94,9.51 v4(40.58,9.15)
  Bottom w0.186: J1#5.42 40.95,1.36 40.95,2.86 41.78,3.69 41.78,5.1 41.32,5.56
  Bottom w0.254: v4(40.58,9.15) 40.58,6.3 41.32,5.56
Board_5-I2: length 14.5
  Top w0.186: U1.20 40.73,12.22 ; J1#5.47 39.86,1.36 39.86,6.23 39.68,6.41
  Top w0.254: 39.68,6.41 38.75,7.34 38.75,11.5 39.47,12.22 40.73,12.22
Board_5-I3: length 16.2
  Top w0.186: v4(37.78,11.63) 38.87,12.73 U1.19
  Bottom w0.186: 39.57,6.26 39.95,5.88 39.95,1.36 J1#5.46
  Bottom w0.254: 39.57,6.26 37.78,8.05 v4(37.78,11.63)
Board_5-I4: length 20.8
  Top w0.186: J1#5.51 38.86,1.36 38.86,5.68 38.68,5.86 ; 41.98,15.35 U1.16
  Top w0.254: 38.68,5.86 36.87,7.67 36.87,13.83 38.79,15.75 41.58,15.75 41.98,15.35
Board_5-I5: length 26.9
  Top w0.186: U2#3.24 42.2,22.4 41.2,21.4 v4(37.78,21.4)
  Bottom w0.186: 38.59,5.69 38.95,5.33 38.95,1.36 J1#5.50
  Bottom w0.254: 38.59,5.69 36.74,7.54 36.74,20.73 37.4,21.4 v4(37.78,21.4)
Board_5-I6: length 27.9
  Top w0.186: 41.36,22.18 41.6,22.41 41.6,22.98 41.84,23.23 U2#3.23 ; 37.68,5.28 37.86,5.1 37.86,1.36 J1#5.55
  Top w0.254: 41.36,22.18 41.19,22 37.49,22 35.72,20.23 35.72,7.24 37.68,5.28
Board_5-I7: length 30.3
  Top w0.186: v4(37.78,24.72) U2#3.20
  Bottom w0.186: 37.57,5.13 37.95,4.75 37.95,1.36 J1#5.54
  Bottom w0.254: 37.57,5.13 35.58,7.12 35.58,23.32 36.98,24.72 v4(37.78,24.72)
Board_5-I8: length 31
  Top w0.186: J1#5.59 36.86,1.36 36.86,4.51 36.64,4.73 ; U2#3.19 40.62,25.23
  Top w0.254: 40.62,25.23 37.31,25.23 34.53,22.44 34.53,6.84 36.64,4.73
Board_5-I9: length 35.8
  Top w0.186: U2#3.16 42.67,26.93 41.4,28.19 v4(37.78,28.19)
  Bottom w0.186: J1#5.58 36.95,1.36 36.95,4.18 36.61,4.52
  Bottom w0.254: 36.61,4.52 34.39,6.74 34.39,26.01 36.57,28.19 v4(37.78,28.19)
Board_5-LDAC: length 52.6
  Top w0.186: U1.7 47.65,13.23 48.3,13.88 48.3,16.62 v2(46.68,18.25) ; U3#3.12 47.63,36.73 48.12,36.24 48.12,32.63 47.76,32.27 47.22,32.27 v2(46.5,31.55) 46.5,31.55 48.2,29.84 48.2,26.5 47.43,25.73 U2#3.7
  Bottom w0.186: v2(46.5,31.55) 47.05,31 47.05,28.74 46.36,28.05 46.36,21.42 46.68,21.1 v2(46.68,18.25) 47.26,17.66 47.26,15.43 46.36,14.52 46.36,8.26 47.53,7.09 J1#5.16
Board_5-MISO: length 42.3
  Top w0.186: v2(48.93,24.23) U2#3.4 ; J1#5.9 49.2,1.36 49.2,2.26 48.73,2.73 v2(48.73,4.48) ; v2(48.93,35.5) 48.93,37.42 48.12,38.23 U3#3.15 ; v2(48.93,11.73) U1.4
  In3.Cu w0.186: v2(48.73,4.48) 48.73,9.25 48.93,9.45 v2(48.93,11.73) v2(48.93,24.23) v2(48.93,35.5)
Board_5-MOSI: length 48.9
  Top w0.186: v2(50.2,37.9) 50.2,38.23 49.7,38.73 U3#3.16 ; U2#3.3 48.19,23.72 50.2,21.72 v2(50.2,21.72) ; v2(49.6,8.58) 49.6,9.82 48.19,11.22 U1.3